# Altium PCB main.PcbDoc (part 1 of 2)
Units mm, origin at the board's own origin, x right, y up, seen from the top; angles counter-clockwise.
Board outline 199.62 x 144.74 mm, 2 copper layers (Top Layer, Bottom Layer), stack 1.58 mm thick; 201 components, 181 nets, 704 pads, 1888 vias.
Unrouted connection lines stored in the file: 2.
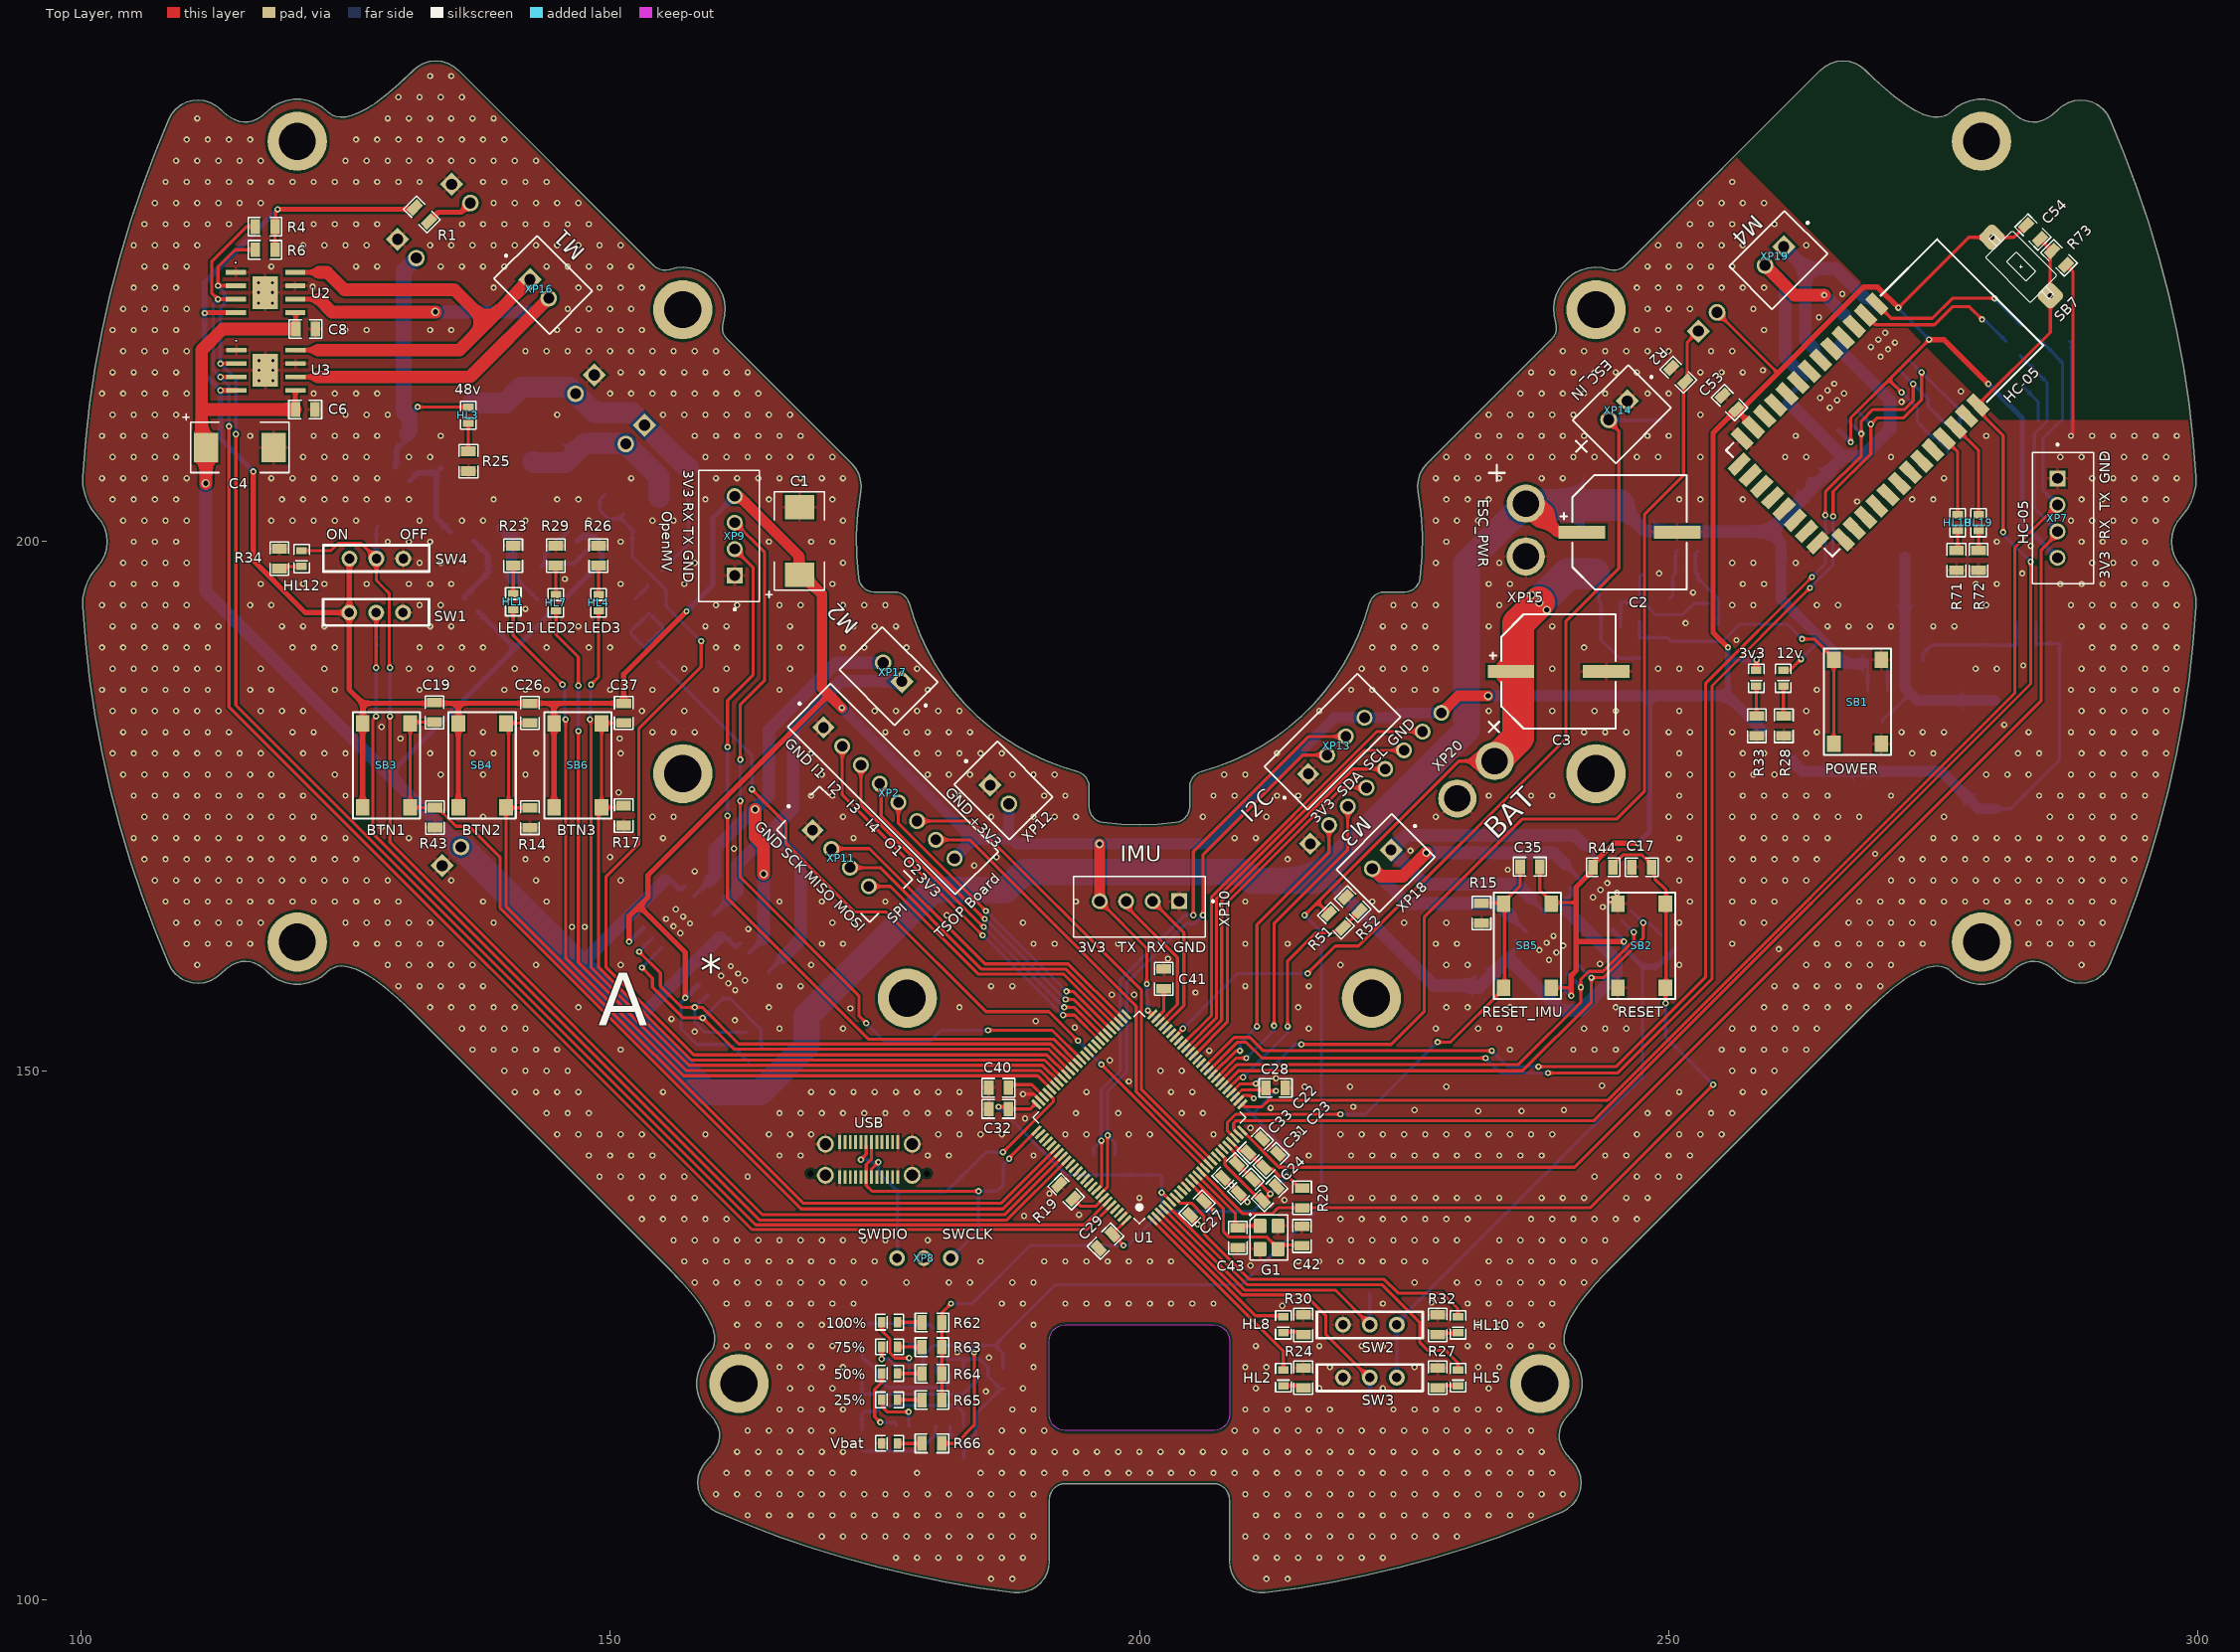
[diagram p0: Top Layer view]
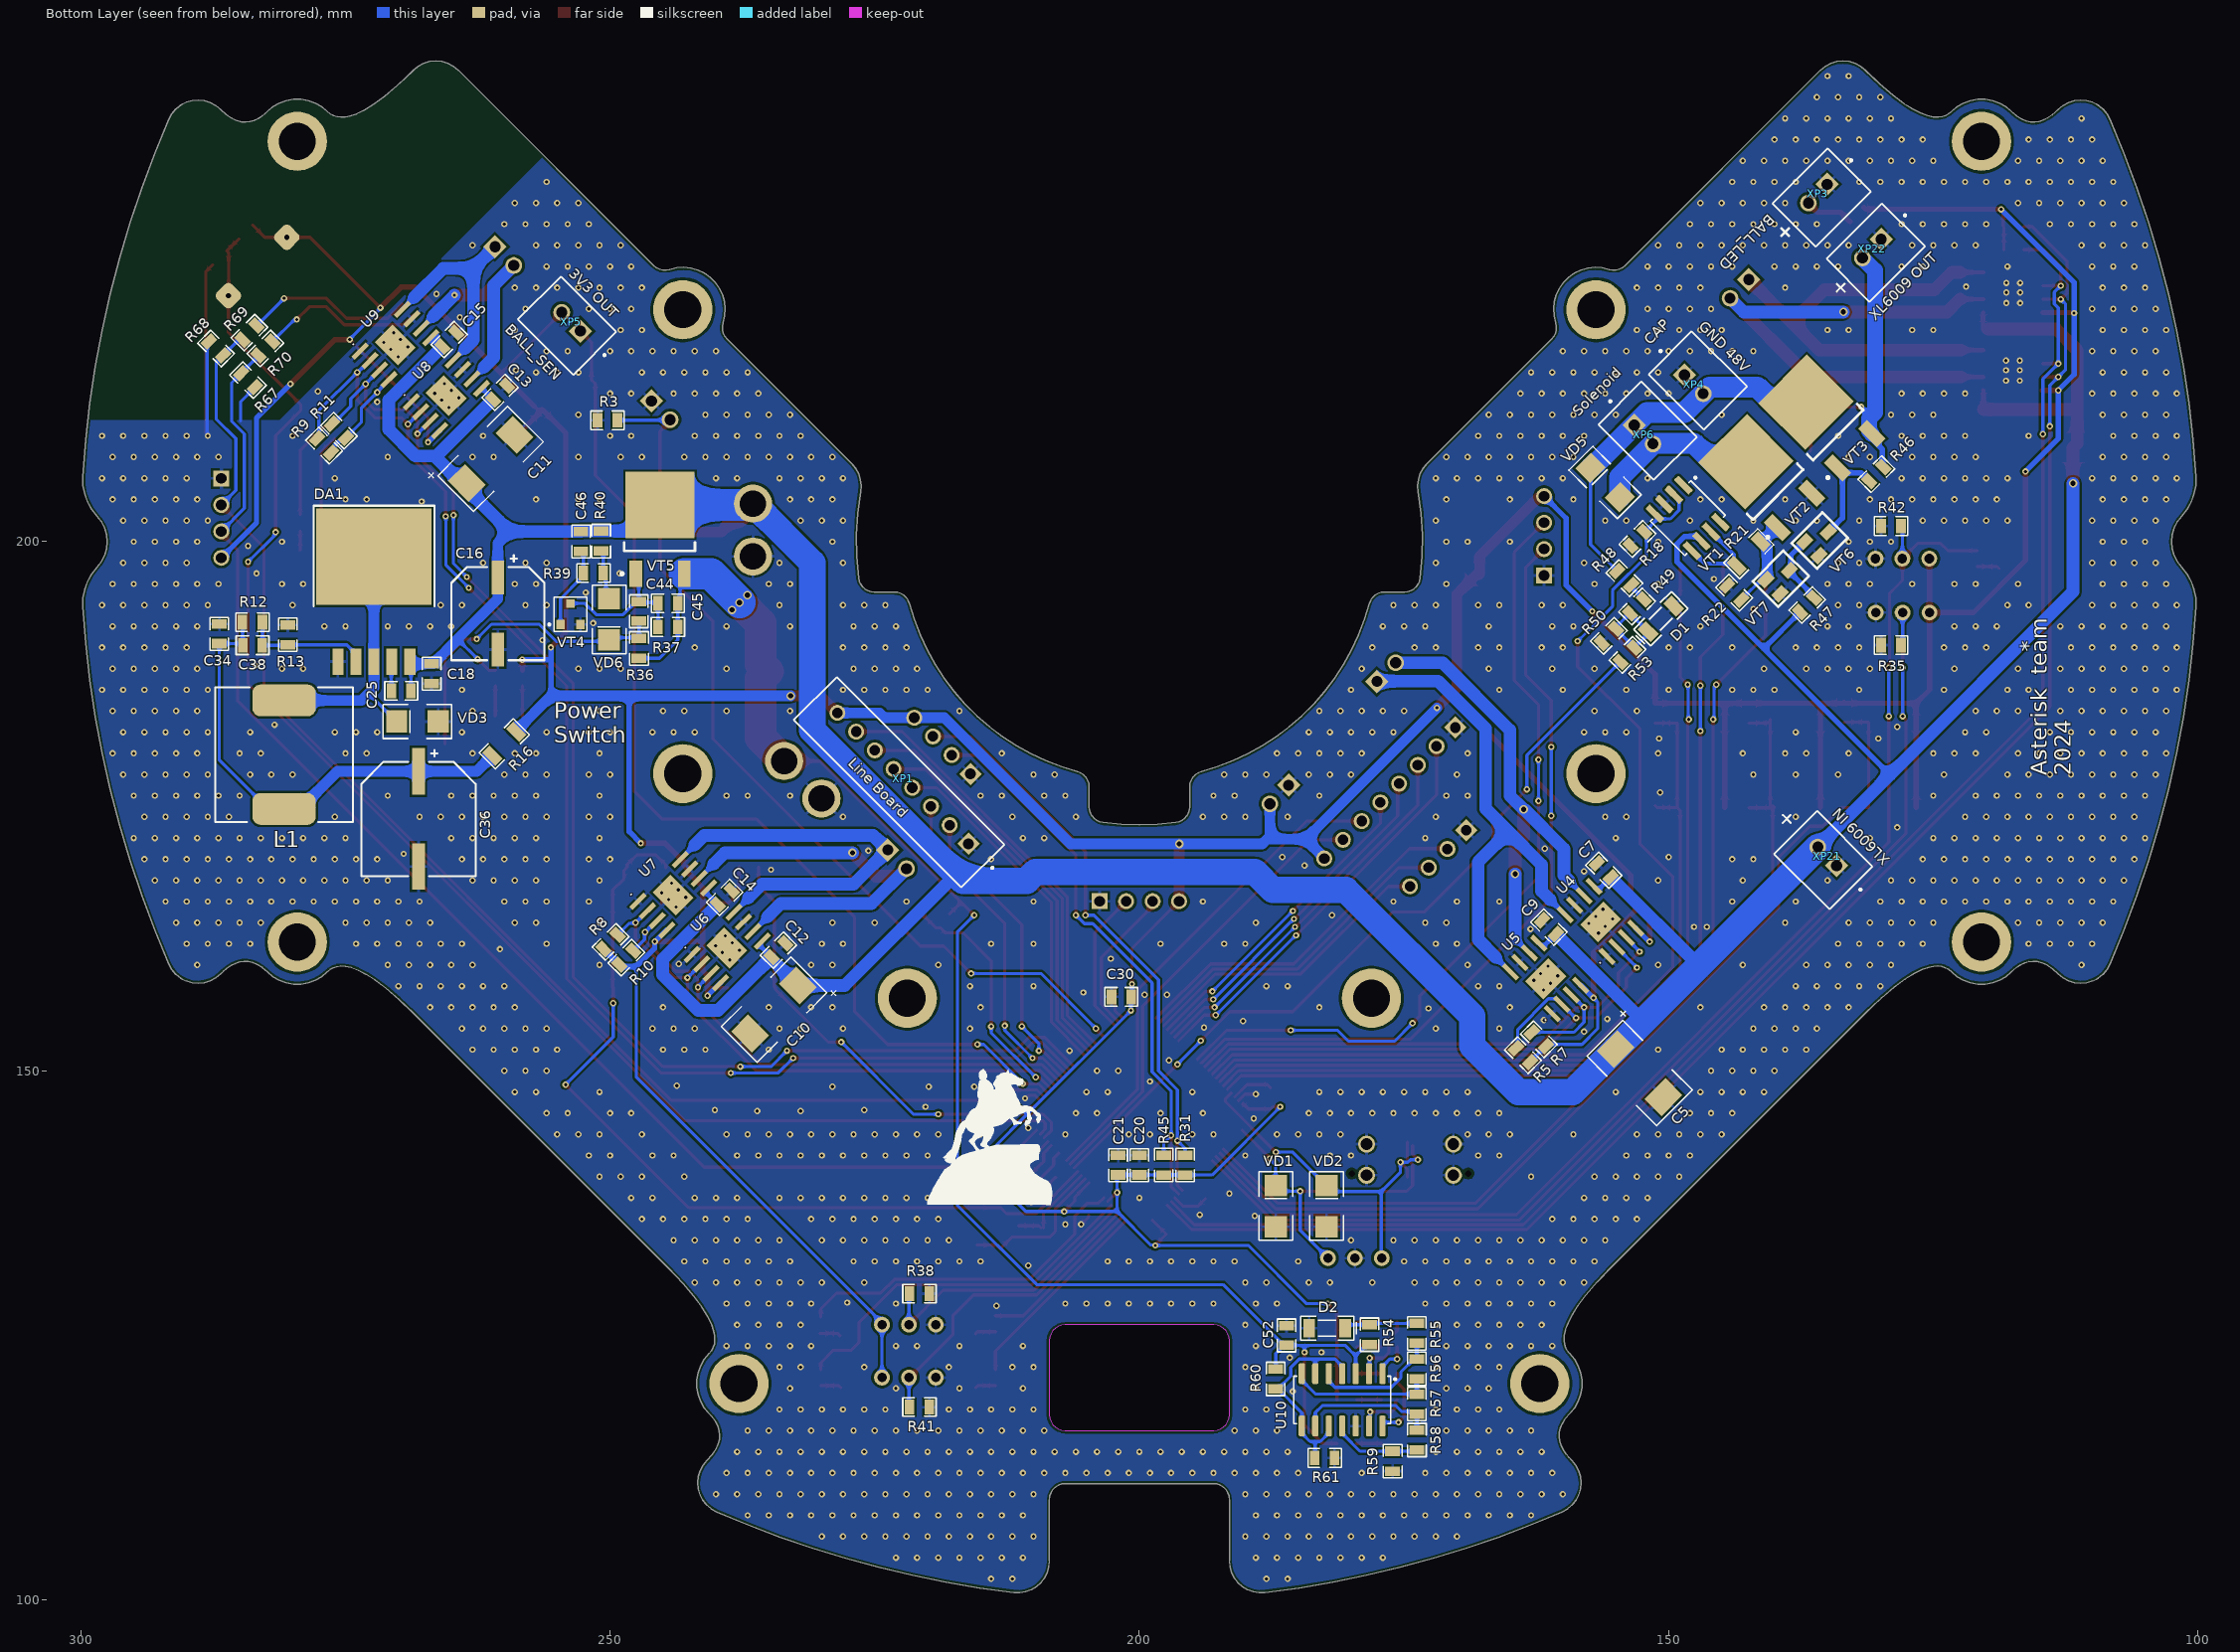
[diagram p1: Bottom Layer view, seen from below]
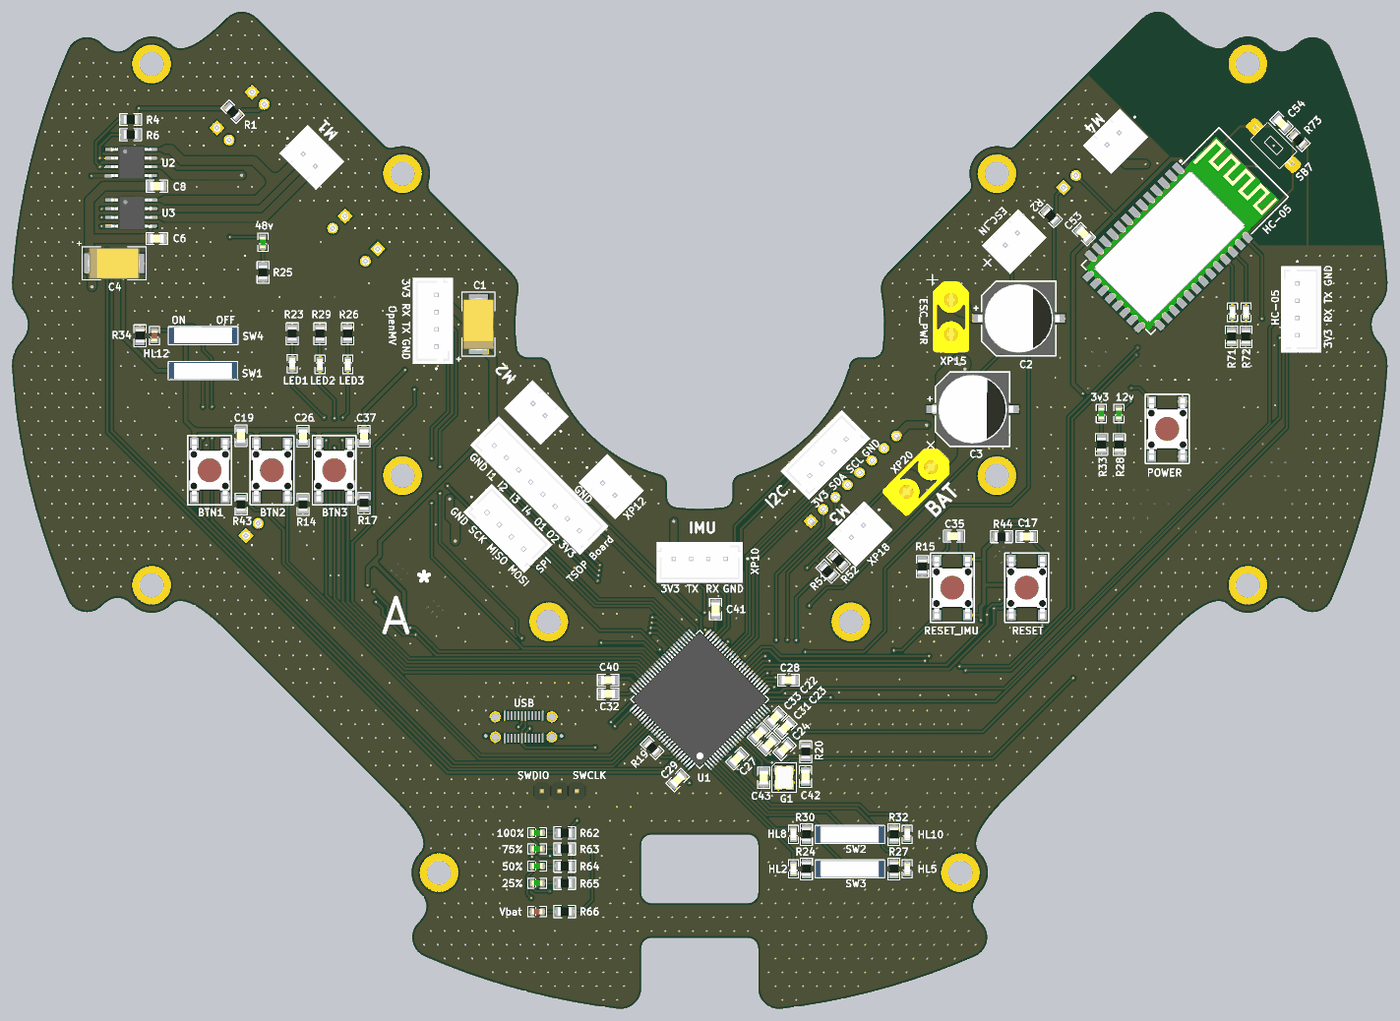
[diagram p3: 3D render of the assembled board from above, using the file's embedded part models]
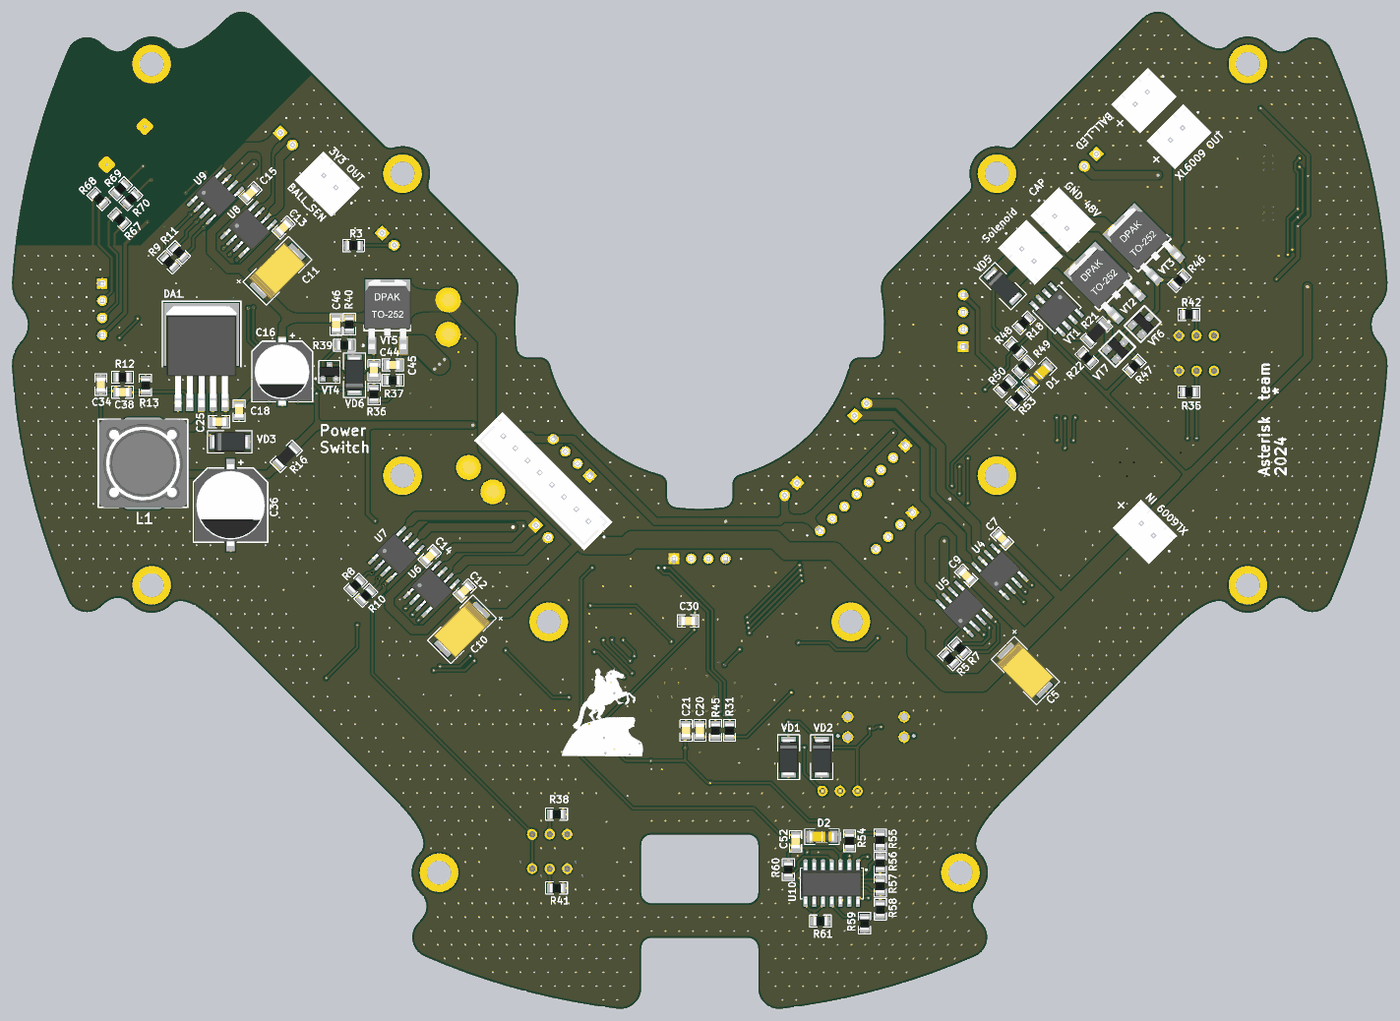
[diagram p4: 3D render of the assembled board from below, using the file's embedded part models]

## Layer stack, top to bottom
Top Solder: solder mask 0.0102, Solder Resist, Dk 3.5
Top Layer: signal copper 0.07
Dielectric 1: dielectric 1.4397, FR-4, Dk 4.8
Bottom Layer: signal copper 0.07
Bottom Solder: solder mask 0.0102, Solder Resist, Dk 3.5

## Board outline
564 vertices, not listed, extent 100.189,100.691 299.811,245.426
cut-out: 193,116 192.666,116.038 192.349,116.149 192.065,116.327 191.827,116.565 191.649,116.849 191.538,117.166 191.5,117.5 191.5,124.5 191.538,124.834 191.649,125.151 191.827,125.435 192.065,125.673 192.349,125.851 192.666,125.962 193,126 207,126 207.334,125.962 207.651,125.851 207.935,125.673 208.173,125.435 208.351,125.151 208.462,124.834 208.5,124.5 208.5,117.5 208.462,117.166 208.351,116.849 208.173,116.565 207.935,116.327 207.651,116.149 207.334,116.038 207,116

## Design rules (kind name [scope] priority, off if disabled: settings)
BoardOutlineClearance [All] p1: gap=0.25 ignorepadtopadclearanceinfootprint=FALSE
Clearance Clearance_MultiLayerPad [OnLayer('Multi-Layer') and IsPad] p1: gap=0.25 ignorepadtopadclearanceinfootprint=FALSE except(0: Arc-Hole Track-Hole SMDPad-Hole THPad-Hole Via-Hole Fill-Hole Poly-Hole Region-Hole Text-Hole)
Clearance Clearance_Polygon [InPolygon] p2: gap=0.2 ignorepadtopadclearanceinfootprint=FALSE except(0: Arc-Hole Track-Hole SMDPad-Hole THPad-Hole Via-Hole Fill-Hole Poly-Hole Region-Hole Text-Hole)
Clearance [All] p3: gap=0.15 ignorepadtopadclearanceinfootprint=FALSE except(0: Arc-Hole Track-Hole SMDPad-Hole THPad-Hole Via-Hole Fill-Hole Poly-Hole Region-Hole Text-Hole)
ComponentClearance [All] p1 off: gap=0 collisioncheckmode=3 verticalgap=2540 showdistances=TRUE
Height [All] p1 off: minheight=0 maxheight=25.4 prefheight=12.7
HoleSize [All] p1: absolutevalues=TRUE maxlimit=6.3 minlimit=0.2 maxpercent=80.000 minpercent=20.000
HoleToHoleClearance HoleToHoleClearanceVia [IsVia vs IsVia] p1: gap=0.254 allowstackedmicrovias=TRUE
HoleToHoleClearance [All] p2: gap=0.5 allowstackedmicrovias=TRUE
MinimumAnnularRing MinimumAnnularRingVia [IsVia] p1: minimumring=0.15
MinimumAnnularRing [All] p2: minimumring=0.25
MinimumSolderMaskSliver [All] p1: minsoldermaskwidth=0.13
PlaneClearance [All] p1: clearance=0.5
PlaneConnect [All] p1: planeconnectstyle=Relief reliefexpansion=0.5 reliefentries=4 reliefconductorwidth=0.3 reliefairgap=0.2
PolygonConnect PolygonConnect_Power [InPadClass('power')] p1: connectstyle=Relief reliefconductorwidth=0.9 reliefentries=4 polygonreliefangle="90 Angle" airgapwidth=0.2
PolygonConnect [All] p2: thpad.connectstyle=Relief thpad.reliefconductorwidth=0.3 thpad.reliefentries=4 thpad.polygonreliefangle="90 Angle" thpad.airgapwidth=0.2 smdpad.connectstyle=Relief smdpad.reliefconductorwidth=0.3 smdpad.reliefentries=4 smdpad.polygonreliefangle="90 Angle" smdpad.airgapwidth=0.2 via.connectstyle=Direct via.reliefconductorwidth=0.3 via.reliefentries=4 via.polygonreliefangle="90 Angle" via.airgapwidth=0.2
RoutingVias [All] p1: holewidth=0.3 width=0.6 viastyle="Through Hole" minholewidth=0.3 minwidth=0.6 maxholewidth=0.5 maxwidth=1.5
SilkToSilkClearance [All] p1: silktosilkclearance=0.2
SilkToSolderMaskClearance [IsPad] p1: minsilkscreentomaskgap=0.15 clearancetoexposedcopper=TRUE
SolderMaskExpansion [All] p1: expansion=0.05 istentingtop=FALSE
UnRoutedNet [All] p1: checkbadconnections=TRUE
Width [All] p1: maxlimit=10 minlimit=0.15 preferedwidth=0.3
20 further rules are at their usual default settings.

## Classes and differential pairs
component class U_switches: C17 C19 C26 C35 C37 C44 C45 C46 R37 R39 R40 SB1 SB2 SB3 SB4 SB5 SB6 SS SW1 SW2 SW3 SW4 VD6 VT4 VT5
component class U_stabs: C16 C18 C25 C34 C36 C38 DA1 L1 R12 R13 R16 VD3
component class U_indicator: 25% 50% 75% 100% C52 D1 D2 R48 R49 R50 R51 R52 R53 R55 R56 R57 R58 R59 R61 R62 R63 R64 R65 R66 SS U10 Vbat
component class U_drv: C4 C5 C6 C7 C8 C9 C10 C11 C12 C13 C14 C15 SS U2 U3 U4 U5 U6 U7 U8 U9
component class U_connectors: C1 C2 C3 R1 R31 R45 SS USB VD1 VD2 XP1 XP2 XP3 XP4 XP5 XP6 XP7 XP8 XP9 XP10 XP11 XP12 XP13 XP14 XP15 XP16 XP17 XP18 XP19 XP20 XP21 XP22
component class U_bluetooth: C53 C54 HC-05 HL18 HL19 R69 R70 R71 R72 SB7 SS
component class main: 3v3 C20 C21 C22 C23 C24 C27 C28 C29 C30 C31 C32 C33 C40 C41 C42 C43 G1 HL1 HL2 HL3 HL4 HL5 HL7 HL8 HL10 HL12 R21 R23 R24 R25 R26 R27 R28 R29 R30 R32 R33 R34 SS U1 Vbat VD5 VT1 VT2 VT3 VT6 VT7

## Components (designator, comment, footprint, x,y, rotation, side; value= is the part's Value field where it differs from the comment)
3v3 "3V3" LED0603_GREEN 258.271,187.1 r90 top (schematic designator HL11)
12v "12V" LED0603_GREEN 260.823,187.1 r90 top (schematic designator HL6)
25% "White" LED0603_GREEN 176.4,118.913 r0 top (schematic designator HL16)
50% "White" LED0603_GREEN 176.4,121.413 r0 top (schematic designator HL15)
75% "White" LED0603_GREEN 176.4,123.913 r0 top (schematic designator HL14)
100% "White" LED0603_GREEN 176.4,126.247 r0 top (schematic designator HL13)
C1 "47uF" CAP_TANT_D 167.894,200.054 r90 top
C2 "470uF" D10C4.4H10 246.3,200.9 r0 top
C3 "25v 470uF" D10C4.4H10 239.6,187.732 r0 top
C4 "25v 47uF" CAP_TANT_D 115,208.9 r0 top
C5 "25v 47uF" CAP_TANT_D 152.765,149.8 r225 bottom
C6 "0.1uF" CAP0805 121.2,212.494 r180 top
C7 "0.1uF" CAP0805 156.129,168.95 r225 bottom
C8 "0.1uF" CAP0805 121.237,220.093 r180 top
C9 "0.1uF" CAP0805 161.317,163.574 r225 bottom
C10 "25v 47uF" CAP_TANT_D 234.5,155.8 r315 bottom
C11 "25v 47uF" CAP_TANT_D 261.3,207.8 r135 bottom
C12 "0.1uF" CAP0805 234.1,161.4 r315 bottom
C13 "0.1uF" CAP0805 260.4,214.1 r315 bottom
C14 "0.1uF" CAP0805 239.182,166.391 r315 bottom
C15 "0.1uF" CAP0805 265.2,219.1 r315 bottom
C16 "220uF" D8C3.2H12 260.6,193.2 r270 bottom
C17 "1uF" CAP0805 247.453,169.241 r0 top
C18 "1uF" CAP0805 266.858,187.523 r90 bottom
C19 "1uF" CAP0805 133.414,183.877 r270 top
C20 "1uF" CAP0805 200,141.1 r90 bottom
C21 "0.1uF" CAP0805 202,141.1 r90 bottom
C22 "1uF" CAP0805 210.949,142.928 r45 top
C23 "0.1uF" CAP0805 212.449,141.528 r45 top
C24 "0.1uF" CAP0805 212.3,138.4 r45 top
C25 "1uF" CAP0805 269.738,185.9 r180 bottom
C26 "1uF" CAP0805 142.426,183.8 r270 top
C27 "0.1uF" CAP0805 205.439,137.022 r225 top
C28 "0.1uF" CAP0805 212.869,148.394 r0 top
C29 "0.1uF" CAP0805 196.8,133.9 r225 top
C30 "0.1uF" CAP0805 201.7,157 r0 bottom
C31 "0.1uF" CAP0805 210.065,139.095 r45 top
C32 "0.1uF" CAP0805 186.7,146.4 r180 top
C33 "1uF" CAP0805 208.564,140.556 r45 top
C34 "1uF" CAP0805 286.92,191.302 r270 bottom
C35 "1uF" CAP0805 236.9,169.3 r180 top
C36 "330uF" D10C4.4H10 268.1,173.8 r270 bottom
C37 "1uF" CAP0805 151.28,183.8 r270 top
C38 "33nF" CAP0805 283.779,190.207 r0 bottom
C40 "2.2uF" CAP0805 186.7,148.4 r0 top
C41 "2.2uF" CAP0805 202.3,158.7 r270 top
C42 "20pF" CAP0805 215.361,134.391 r90 top
C43 "20pF" CAP0805 209.294,134.231 r270 top
C44 "1uF" CAP0805 247.293,193.417 r270 bottom
C45 "0.1uF" CAP0805 244.542,194.167 r180 bottom
C46 "10uF" CAP0805 252.749,200.025 r90 bottom
C52 "0.1uF" CAP0805 186.1,125 r270 bottom
C53 "0.1uF" CAP0805 255.753,213.139 r315 top
C54 "0.1uF" CAP0805 284.415,229.251 r315 top
D1 "3.3V" SOD-80 150.695,192.721 r135 bottom
D2 "8.2V" SOD-80 182.3,125.7 r0 bottom
DA1 "XL4015" TO263-5L 272.515,194.935 r180 bottom
G1 "16 MHz" TSX-3225 212.25,134.25 r270 top
HC-05 "HC-05" HC-05 269.737,212.799 r315 top (schematic designator BT1)
HL1 "LED1" LED0603_WHITE 140.851,194.328 r270 top
HL2 "BG" LED0603_WHITE 213.6,121 r90 top
HL3 "48v" LED0603_GREEN 136.6,211.95 r90 top
HL4 "LED3" LED0603_WHITE 148.918,194.228 r270 top
HL5 "YG" LED0603_WHITE 230.1,121 r90 top
HL7 "LED2" LED0603_WHITE 144.885,194.228 r270 top
HL8 "ST" LED0603_WHITE 213.6,126 r90 top
HL10 "GK" LED0603_WHITE 230.1,126 r90 top
HL12 "M_ON" LED0603_RED 120.856,198.4 r90 top
HL18 "White" LED0603_WHITE 277.304,201.792 r90 top
HL19 "White" LED0603_WHITE 279.284,201.792 r90 top
L1 "47uH" "IND: B82477G" 282.3,184.75 r270 bottom
R1 "70R" RES0805 132.2,230.9 r135 top
R2 "10K" RES0805 250.928,215.795 r315 top
R3 "10K" RES0805 250.25,211.5 r180 bottom
R4 "10K" RES0805 117.4,227.6 r0 top
R5 "10K" RES0805 163.75,151.5 r225 bottom
R6 "10K" RES0805 117.4,229.8 r0 top
R7 "10K" RES0805 162.25,153 r225 bottom
R8 "10K" RES0805 249.932,162.164 r315 bottom
R9 "10K" RES0805 277,209.1 r225 bottom
R10 "10K" RES0805 248.439,160.675 r315 bottom
R11 "10K" RES0805 275.6,210.5 r225 bottom
R12 "22K" RES0805 283.779,192.351 r0 bottom
R13 "13K" RES0805 280.422,191.201 r270 bottom
R14 "10K" RES0805 142.406,173.912 r90 top
R15 "10K" RES0805 232.3,164.9 r90 top
R16 "0R" RES1206 260,180.9 r135 bottom
R17 "10K" RES0805 151.26,174.118 r90 top
R18 "10K" RES0805 152.958,200.278 r135 bottom
R19 "10K" RES0805 193.1,138.6 r315 top
R20 "10K" RES0805 215.4,138 r270 top
R21 "15R" RES1206 142.438,198.858 r135 bottom
R22 "10K" RES0805 143.8,195.2 r225 bottom
R23 "1K" RES0805 140.872,198.685 r270 top
R24 "1K" RES0805 215.5,121 r270 top
R25 "22K" RES0805 136.6,207.6 r90 top
R26 "1K" RES0805 148.918,198.685 r270 top
R27 "1K" RES0805 228.2,121 r270 top
R28 "4.7K" RES0805 260.852,182.6 r90 top
R29 "1K" RES0805 144.895,198.685 r270 top
R30 "1K" RES0805 215.5,126 r270 top
R31 "1K" RES0805 195.7,141.1 r90 bottom
R32 "1K" RES0805 228.2,126 r270 top
R33 "1K" RES0805 258.299,182.6 r90 top
R34 "1K" RES0805 118.787,198.4 r270 top
R35 "10K" RES0805 129,190.25 r180 bottom